# Altium PCB RS2-708_V008.PcbDoc (part 4 of 4) (continued)
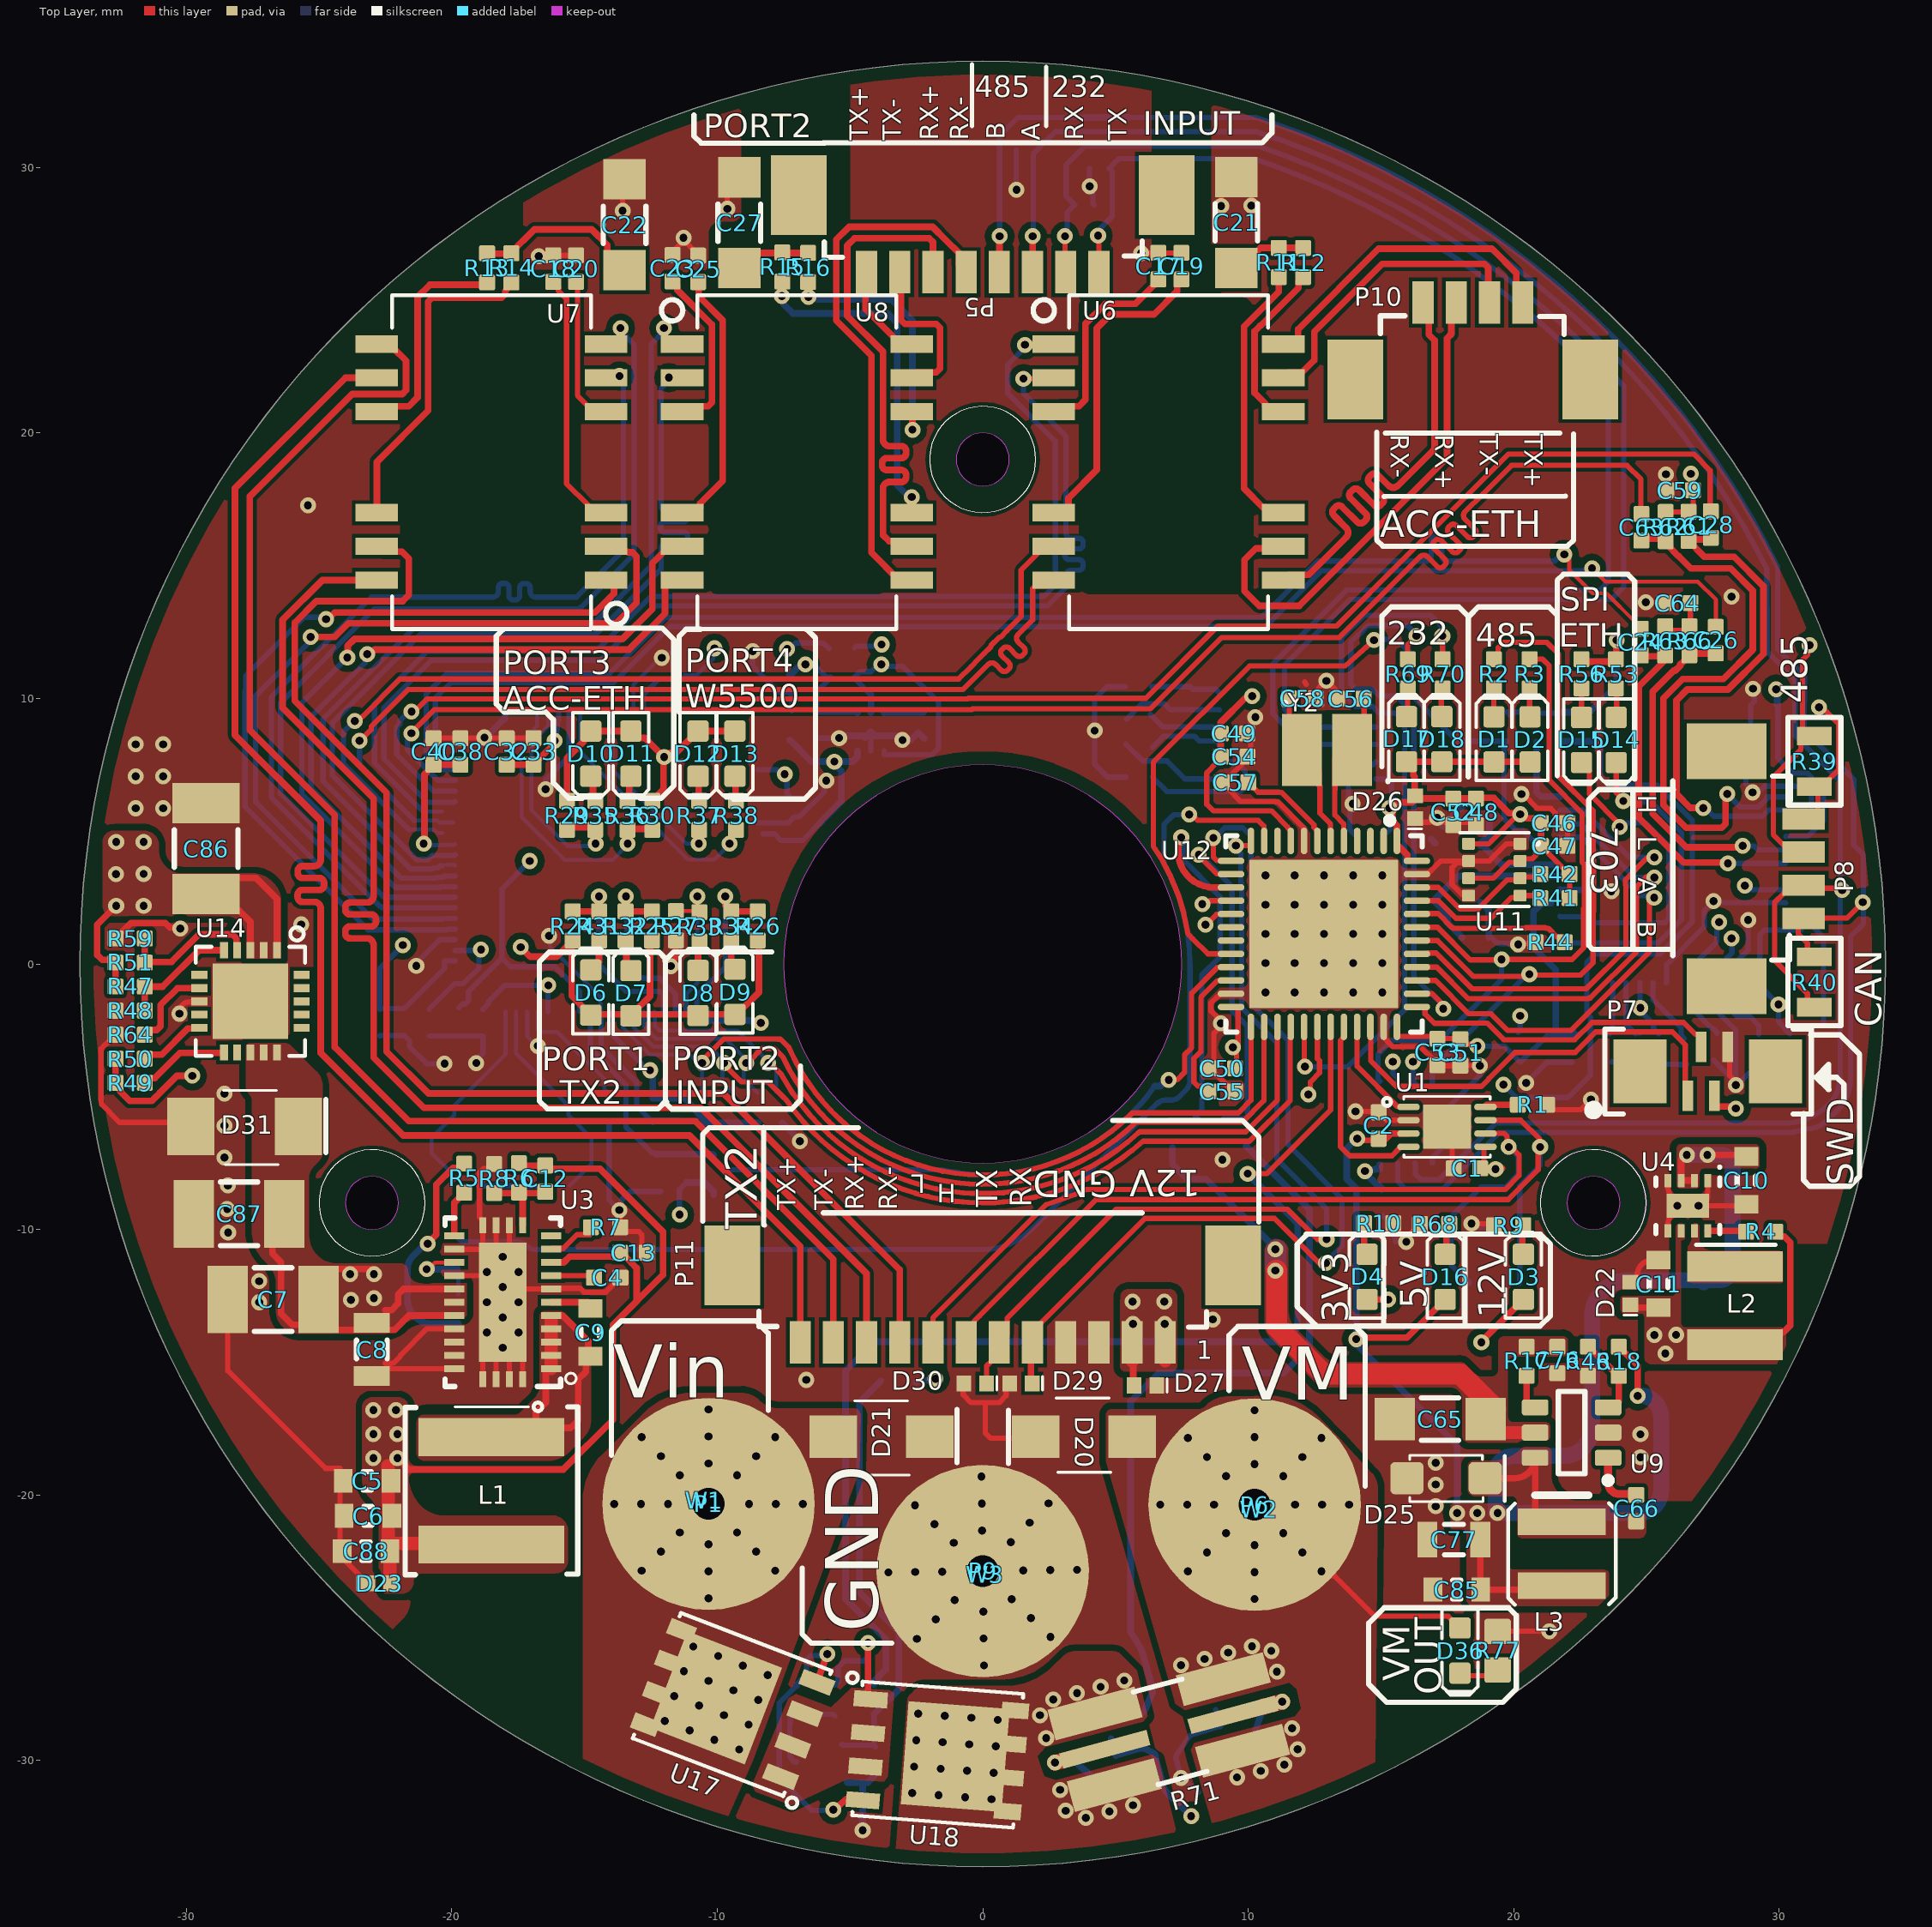
[diagram p0: Top Layer view]
## Polygon pours and split planes (outlines as drawn) (continued)
GND on Top Layer "TOP_GND_Pre-Protection" (solid, remove dead copper, pour order 132): -31.992,5.53 cw(c-31.992,5.864) -32.326,5.864 -32.326,8.412 cw(c-31.986,8.412) -31.986,8.752 -30.794,8.752 cw(c-30.794,8.447) -30.49,8.447 -30.49,7.413 ccw(c-30.111,7.413) -30.111,7.035 -29.049,7.04 -28.284,7.04 cw(c-28.284,6.615) -27.859,6.615 -27.859,5.537 cw(c-28.261,5.537) -28.261,5.135 -30.676,5.135 cw(c-30.676,5.321) -30.861,5.321 ccw(c-31.07,5.321) -31.07,5.53
3V3 on Top Layer "TOP_3V3_reg out" (solid, remove dead copper, pour order 133): 24.919,-13.302 ccw(c24.781,-13.302) 24.781,-13.163 24.145,-13.163 cw(c24.145,-13.035) 24.017,-13.035 24.017,-12.618 cw(c24.126,-12.618) 24.126,-12.509 25.948,-12.509 ccw(c25.936,-12.341) 26.104,-12.329 26.104,-9.912 cw(c26.231,-9.912) 26.231,-9.785 26.399,-9.785 cw(c26.399,-9.837) 26.451,-9.837 26.451,-10.323 cw(c26.382,-10.323) 26.382,-10.393 ccw(c26.382,-10.474) 26.301,-10.474 26.301,-13.527 ccw(c26.457,-13.527) 26.457,-13.683 26.984,-13.678 30.021,-13.678 cw(c30.025,-13.902) 30.249,-13.899 30.249,-14.891 cw(c30.066,-14.891) 30.066,-15.074 25.189,-15.074 cw(c25.189,-14.803) 24.919,-14.803
5V on Top Layer "TOP_5v_3vregin" (solid, remove dead copper, pour order 136): 29.175,-6.787 cw(c29.175,-6.868) 29.256,-6.868 29.256,-7.608 cw(c29.16,-7.608) 29.16,-7.704 28.256,-7.702 27.185,-7.702 ccw(c27.185,-7.889) 26.999,-7.889 26.999,-8.323 cw(c26.873,-8.323) 26.873,-8.449 26.267,-8.45 cw(c26.267,-8.313) 26.13,-8.313 26.13,-6.964 cw(c26.308,-6.964) 26.308,-6.787
GND on Top Layer "TOP_GND_3v3-reg" (solid, remove dead copper, pour order 137): 25.93,-11.539 cw(c25.775,-11.539) 25.775,-11.694 24.941,-11.694 ccw(c24.941,-11.842) 24.793,-11.842 24.793,-12.207 cw(c24.691,-12.207) 24.691,-12.31 24.1,-12.31 cw(c24.1,-12.233) 24.023,-12.233 24.023,-11.668 cw(c24.094,-11.668) 24.094,-11.598 24.453,-11.598 ccw(c24.453,-11.457) 24.595,-11.457 24.595,-11.04 cw(c24.877,-11.04) 24.877,-10.757 25.385,-10.757 ccw(c25.385,-10.548) 25.594,-10.548 25.593,-10.333 25.593,-7.914 cw(c25.675,-7.914) 25.675,-7.832 25.834,-7.832 cw(c25.834,-7.981) 25.983,-7.981 25.983,-8.547 ccw(c26.097,-8.547) 26.097,-8.66 27.02,-8.66 ccw(c27.02,-8.569) 27.112,-8.569 27.112,-7.955 cw(c27.2,-7.955) 27.2,-7.866 27.226,-7.866 27.422,-7.866 cw(c27.422,-7.952) 27.508,-7.952 27.508,-8.482 ccw(c27.667,-8.482) 27.667,-8.641 28.098,-8.641 29.163,-8.641 cw(c29.163,-8.703) 29.225,-8.703 29.225,-9.471 cw(c29.13,-9.471) 29.13,-9.567 28.568,-9.566 26.217,-9.566 26.17,-9.566 ccw(c26.17,-9.807) 25.93,-9.807
NetL2_1 on Top Layer "TOP_3v3-SW_LX" (solid, remove dead copper, pour order 135): 26.639,-12.018 30.047,-12.018 ccw(c30.047,-11.898) 30.167,-11.898 30.167,-10.844 ccw(c30.116,-10.844) 30.116,-10.794 27.44,-10.794 cw(c27.441,-10.341) 26.989,-10.34 26.989,-9.85 ccw(c26.897,-9.85) 26.897,-9.758 26.716,-9.758 ccw(c26.716,-9.847) 26.627,-9.847 26.629,-9.961 26.629,-10.515 cw(c26.512,-10.515) 26.595,-10.597 ccw(c26.769,-10.772) 26.522,-10.772 26.522,-11.911 ccw(c26.628,-11.903) 26.636,-12.008 ccw(c26.785,-11.963)
V_IN on Top Layer "TOP_V_IN-RevPol-in" (solid, remove dead copper, pour order 131): -32.733,1.802 cw(c-32.733,2.223) -33.154,2.223 -33.154,4.584 cw(c-32.722,4.583) -32.721,5.015 -31.59,5.015 cw(c-31.59,4.459) -31.034,4.459 -31.034,4.293 ccw(c-30.149,4.293) -30.149,3.408 -27.51,3.408 cw(c-27.51,2.318) -26.42,2.318 -26.42,0.204 -27.738,0.204 -27.738,0.863 -27.735,1.03 ccw(c-28.507,1.03) -28.507,1.802
NetC9_1 on Top Layer "TOP_12V-SW_Regout" (solid, remove dead copper, pour order 129): -15.924,-13.071 cw(c-15.924,-13.298) -15.764,-13.137 -14.885,-14.016 cw(c-15.214,-14.347) -14.747,-14.345 -14.747,-17.122 cw(c-15.802,-17.12) -15.058,-17.868 -15.577,-18.387 cw(c-16.346,-17.617) -16.346,-18.706 -21.024,-18.706 cw(c-21.024,-18.406) -21.324,-18.406 -21.324,-17.294 cw(c-21.029,-17.27) -21.223,-17.047 cw(c-21.042,-17.249) -21.027,-16.977 -17.7,-16.977 ccw(c-17.7,-16.532) -17.384,-16.847 -16.883,-16.345 ccw(c-17.364,-15.864) -16.683,-15.864 -16.683,-13.245 cw(c-16.509,-13.245) -16.509,-13.071
GND on Top Layer "TOP_GND_12v-regIN-out" (solid, remove dead copper, pour order 127): -20.985,-13.588 -19.552,-13.588 cw(c-19.552,-13.668) -19.472,-13.668 -19.472,-15.631 cw(c-19.803,-15.631) -19.803,-15.961 -23.205,-15.961 ccw(c-23.205,-16.385) -23.629,-16.385 -23.629,-21.942 -23.628,-21.942 -23.628,-22.225 ccw(c-23.573,-22.225) -23.612,-22.263 -22.953,-22.922 cw(c-23.164,-23.133) -22.866,-23.133 -22.866,-23.616 cw(c-22.916,-23.616) -22.916,-23.666 -23.37,-23.666 cw(c-23.37,-23.467) -23.51,-23.608 -24.376,-22.742 cw(c-24.056,-22.423) -24.508,-22.423 -24.508,-20.27 ccw(c-26.195,-20.27) -25.002,-19.077 -30.094,-13.985 cw(c-28.298,-12.188) -30.838,-12.188 -30.838,-5.124 cw(c-30.589,-5.124) -30.589,-4.875 -29.637,-4.875 ccw(c-29.637,-4.268) -29.208,-4.697 cw(c-28.678,-5.227) -28.678,-4.478 -28.469,-4.478 cw(c-28.469,-4.842) -28.212,-4.585 cw(c-28.469,-4.842) -28.105,-4.842 -28.105,-10.115 ccw(c-26.984,-10.115) -27.777,-10.908 -27.121,-11.564 cw(c-27.549,-11.992) -26.944,-11.992 -26.944,-13.452 ccw(c-26.2,-13.452) -26.2,-14.195 -22.598,-14.195 ccw(c-22.598,-12.88) -21.668,-13.81 cw(c-21.149,-14.329) -21.149,-13.595 -20.19,-13.595
GND on Top Layer "TOP_GND_5VregSingle pointgGND" (solid, remove dead copper, pour order 124): 14.596,-18.017 ccw(c14.896,-18.017) 14.896,-18.317 cw(c14.896,-18.72) 15.299,-18.72 15.299,-23.848 ccw(c15.666,-23.851) 15.662,-24.218 15.961,-24.216 17.143,-24.216 ccw(c17.143,-23.989) 17.369,-23.989 17.369,-16.525 ccw(c16.986,-16.525) 16.986,-16.142 14.89,-16.142 ccw(c14.89,-16.436) 14.596,-16.436
5V on Top Layer "TOP_5Vreg-5vout" (solid, remove dead copper, pour order 126): 17.545,-21.129 ccw(c17.713,-21.129) 17.713,-21.298 18.048,-21.298 cw(c18.048,-21.466) 18.216,-21.466 18.216,-23.879 ccw(c18.514,-23.882) 18.51,-24.18 23.427,-24.18 ccw(c23.427,-24.016) 23.59,-24.016 23.59,-22.988 ccw(c23.415,-22.988) 23.415,-22.812 20.015,-22.812 cw(c20.015,-22.542) 19.745,-22.542 19.745,-20.621 ccw(c19.452,-20.621) 19.452,-20.327 17.752,-20.327 ccw(c17.752,-20.535) 17.545,-20.535
GND on Top Layer "TOP_GND_5vregin" (solid, remove dead copper, pour order 123): 22.806,-16.012 cw(c22.952,-16.012) 22.952,-15.866 23.026,-15.866 ccw(c23.027,-15.74) 23.154,-15.741 23.154,-15.204 ccw(c23.015,-15.204) 23.015,-15.065 21.401,-15.065 ccw(c21.401,-15.204) 21.262,-15.204 21.262,-15.721 ccw(c21.396,-15.721) 21.396,-15.855 21.898,-15.855 cw(c21.898,-16.024) 22.067,-16.024 22.067,-17.891 ccw(c22.253,-17.891) 22.253,-18.077 23.704,-18.079 24.117,-18.079 cw(c24.117,-18.264) 24.301,-18.264 24.301,-18.778 ccw(c24.525,-18.778) 24.525,-19.002 24.986,-19.002 ccw(c24.986,-18.745) 25.243,-18.745 25.243,-17.665 ccw(c24.894,-17.665) 24.916,-17.316 23.248,-17.316 23.007,-17.316 cw(c23.007,-17.116) 22.806,-17.116
SW_5V on Top Layer "TOP_SW-5V_Reg" (solid, remove dead copper, pour order 121): 19.899,-20.046 cw(c19.899,-20.283) 20.136,-20.283 20.136,-21.435 ccw(c20.332,-21.44) 20.327,-21.636 24.716,-21.636 ccw(c24.716,-21.362) 24.99,-21.362 24.99,-20.829 ccw(c24.826,-20.829) 24.826,-20.665 23.711,-20.665 cw(c23.712,-20.568) 23.616,-20.567 23.616,-20.354 ccw(c23.466,-20.354) 23.466,-20.204 22.356,-20.204 cw(c22.356,-19.266) 21.693,-19.929 cw(c22.356,-19.266) 21.418,-19.266 21.418,-18.389 ccw(c21.227,-18.389) 21.227,-18.198 20.434,-18.198 ccw(c20.434,-18.454) 20.253,-18.273 cw(c19.208,-17.228) 19.208,-18.706 18.48,-18.706 ccw(c18.48,-18.914) 18.272,-18.914 18.272,-19.779 ccw(c18.538,-19.779) 18.538,-20.046
GND on Bottom Layer "TOP_GND-Cu-Pour" (solid, remove dead copper, pour order 162): 9.396,32.676 8.838,32.676 ccw(c8.838,32.447) 8.609,32.447 8.609,25.452 ccw(c8.893,25.452) 8.893,25.168 9.643,25.168 cw(c9.643,24.601) 10.211,24.601 10.211,14.26 cw(c9.866,14.26) 9.866,13.916 4.027,13.916 cw(c4.027,14.341) 3.601,14.341 3.601,24.722 cw(c4.127,24.722) 4.127,25.248 6.061,25.248 ccw(c6.061,25.534) 6.347,25.534 6.347,33.011 ccw(c5.877,33.017) 5.883,33.487 ccw(c0,0) 0,34 ccw(c0,0.002) -4.508,33.7 ccw(c-4.508,33.229) -4.979,33.229 -4.979,25.031 ccw(c-4.636,25.031) -4.636,24.688 -3.95,24.688 cw(c-3.95,24.288) -3.55,24.288 -3.55,14.381 cw(c-4.026,14.381) -4.026,13.905 -9.952,13.905 cw(c-9.952,14.286) -10.333,14.286 -10.333,27.51 cw(c-9.89,27.51) -9.89,27.953 -9.47,27.953 ccw(c-9.47,28.324) -9.099,28.324 -9.099,32.505 ccw(c-9.296,32.507) -9.294,32.705 ccw(c0,0) -17.113,29.38 ccw(c-16.67,28.936) -17.296,28.936 -17.296,26.537 ccw(c-16.916,26.537) -16.916,26.157 -15.417,26.157 cw(c-15.417,25.861) -15.122,25.861 -15.122,14.145 cw(c-15.607,14.145) -15.607,13.66 -21.624,13.66 cw(c-21.624,13.998) -21.961,13.998 -21.961,25.819 ccw(c-22.035,25.818) -22.036,25.892 ccw(c0,0) -34,0 ccw(c0,0) -22.59,-25.411 -21.873,-24.694 ccw(c-22.676,-23.89) -21.54,-23.89 -21.54,-17.261 cw(c-20.796,-17.261) -21.322,-16.735 cw(c-20.978,-17.078) -20.978,-16.592 -16.087,-16.592 cw(c-16.087,-17.102) -15.577,-17.102 -15.577,-29.615 ccw(c-14.512,-29.634) -15.279,-30.374 ccw(c0,0) 0,-34 ccw(c0,0) 23.179,-24.875 22.773,-24.468 ccw(c22.289,-24.952) 22.289,-24.268 20.339,-24.268 cw(c20.339,-23.983) 20.054,-23.983 20.054,-20.539 cw(c20.373,-20.539) 20.373,-20.22 26.96,-20.22 ccw(c26.975,-19.485) 27.484,-20.015 ccw(c0.001,-0.001) 30.531,-14.961 ccw(c30.443,-15.05) 30.443,-14.924 26.618,-14.924 cw(c26.618,-14.73) 26.424,-14.73 26.424,-10.737 cw(c26.627,-10.737) 26.627,-10.534 31.718,-10.534 ccw(c31.727,-9.549) 32.417,-10.253 ccw(c0.001,0) 34,0 ccw(c0,0)
V_IN on Bottom Layer "BTM_VM-IN_PreProtection" (solid, remove dead copper, pour order 138): -17.476,-24.999 -17.203,-25.174 -17.063,-25.256 -16.997,-25.289 -16.892,-25.319 -16.767,-25.338 -16.511,-25.35 -16.275,-25.35 ccw(c-16.274,-23.83) -14.755,-23.831 -14.755,-18.542 cw(c-12.215,-18.542) -12.215,-16.002 -10.309,-16.002 -10.31,-16.001 -8.807,-16.001 cw(c-8.807,-18.541) -6.267,-18.541 -6.267,-21.649 cw(c-8.807,-21.649) -7.011,-23.445 ccw(c-5.564,-24.892) -7.611,-24.892 -7.611,-26.888 -7.609,-26.888 -8.909,-30.278 -9.754,-32.611 -12.51,-31.649 -14.859,-30.599 -17.407,-29.27 -19.726,-27.734 -21.104,-26.673 -22.78,-25.256 -24.851,-23.313 -26.983,-20.824 -28.45,-18.663 -29.649,-16.681 -31.205,-13.598 -32.692,-9.573 -33.307,-7.095 -33.902,-2.952 -34,0 -33.931,1.985 -33.644,5.048 -33.644,5.107 -31.017,5.107 cw(c-31.017,4.295) -30.204,4.295 -30.343,3.113 -30.417,2.24 -30.49,0.996 -30.503,-0.186 -30.471,-1.302 -30.378,-2.745 -30.199,-4.327 -29.921,-5.934 -29.608,-7.333 -29.059,-9.256 -28.706,-10.309 -28.315,-11.341 -27.766,-12.629 -27.32,-13.576 -26.803,-14.56 -26.349,-15.36 -25.876,-16.156 -25.606,-16.569 -25.192,-17.194 -24.718,-17.861 -24.305,-18.423 -23.951,-18.89 -23.308,-19.682 -22.899,-20.149 -22.442,-20.656 -21.907,-21.222 -21.205,-21.925 -20.61,-22.487 -19.743,-23.261 -18.976,-23.876 -18.299,-24.4 -17.621,-24.899
5V on Bottom Layer "BTM_5V_Reg out" (solid, remove dead copper, pour order 155): 17.574,-20.652 17.574,-21.069 ccw(c17.836,-21.069) 17.836,-21.331 19.672,-21.331 ccw(c19.672,-21.059) 19.945,-21.059 19.945,-20.256 ccw(c19.741,-20.256) 19.741,-20.052 17.82,-20.052 ccw(c17.82,-20.293) 17.579,-20.293
12V on Bottom Layer "BTM_12V_RegOUT" (solid, remove dead copper, pour order 151): 5.245,-13.978 cw(c5.245,-13.322) 4.781,-13.786 4.731,-13.736 ccw(c4.318,-14.149) 4.318,-13.565 -11.158,-13.565 ccw(c-11.158,-14.349) -11.712,-13.795 -15.173,-17.255 cw(c-15.672,-16.769) -15.663,-17.466 -21.184,-17.466 ccw(c-21.184,-17.804) -21.523,-17.804 -21.523,-18.719 cw(c-21.905,-18.719) -21.905,-19.102 -22.932,-19.102 cw(c-22.932,-18.678) -23.356,-18.678 -23.356,-16.789 cw(c-22.942,-16.781) -23.356,-16.78 cw(c-22.816,-16.776) -22.819,-16.237 -16.123,-16.237 ccw(c-16.123,-15.86) -15.857,-16.126 -12.606,-12.875 cw(c-11.239,-14.242) -11.239,-12.309 6.992,-12.309 cw(c7.001,-12.651) 7.343,-12.641 7.343,-13.743 cw(c7.108,-13.744) 7.109,-13.978
Vm_708 on Bottom Layer "BTM_VM-708_5vRewgin" (solid, remove dead copper, pour order 149): -13.771,-13.647 -12.605,-12.481 cw(c-11.401,-13.685) -11.401,-11.982 11.192,-11.982 ccw(c11.19,-11.637) 11.535,-11.635 11.535,-10.334 ccw(c11.36,-10.334) 11.36,-10.159 10.646,-10.159 ccw(c10.646,-10.344) 10.461,-10.344 10.461,-10.634 cw(c10.075,-10.634) 10.075,-11.02 -11.596,-11.02 ccw(c-11.596,-13.145) -13.098,-11.643 -16.366,-14.911 cw(c-16.661,-14.591) -16.679,-15.026 -21.316,-15.026 cw(c-21.316,-14.782) -21.489,-14.954 -21.729,-14.714 -22.1,-14.342 cw(c-21.326,-13.568) -22.421,-13.568 -22.421,-12.063 cw(c-22.057,-12.032) -22.422,-12.035 -22.422,-11.702 ccw(c-22.92,-11.706) -22.924,-11.209 -23.858,-11.209 ccw(c-23.858,-11.682) -24.331,-11.682 -24.331,-12.969 ccw(c-23.527,-12.969) -24.096,-13.538 -22.052,-15.581 ccw(c-21.371,-14.901) -21.371,-15.864 -16.199,-15.864 ccw(c-16.199,-15.355) -15.839,-15.715 -15.364,-15.24
NetR71_1 on Bottom Layer "BTM_NetR71_1_PWR-FetSwitch" (solid, remove dead copper, pour order 141): 3.243,-29.167 3.136,-29.392 2.823,-29.49 2.334,-29.617 2.148,-29.974 2.256,-30.433 2.574,-30.678 3.273,-30.468 3.621,-30.555 3.737,-30.981 4.329,-31.303 5.78,-30.923 6.121,-31.066 6.48,-32.169 6.339,-32.523 4.121,-33.156 -2.796,-32.607 -3.342,-31.858 -3.066,-27.899 -3.069,-27.899 -2.302,-27.29 0.289,-27.472 4.831,-26.204 5.489,-26.033 5.75,-26.224 6.009,-27.155 5.825,-27.484 3.272,-28.221 3.096,-28.629
Vm_OUT on Bottom Layer "TOP_USB_5V" (solid, remove dead copper, pour order 142): 7.362,-16.029 ccw(c7.362,-17.373) 6.018,-17.373 6.018,-24.141 ccw(c7.836,-24.145) 6.548,-25.427 6.636,-25.515 cw(c6.102,-26.05) 6.858,-26.05 6.851,-26.048 7.094,-26.891 7.441,-27.113 9.969,-26.425 10.369,-26.655 10.521,-27.26 10.722,-27.413 11.473,-27.212 11.731,-27.341 11.889,-27.891 11.855,-28.193 11.061,-28.384 10.884,-28.738 11.037,-29.312 10.947,-29.508 9.153,-30.029 8.878,-30.47 9.209,-31.614 9.556,-31.8 12.166,-31.055 13.354,-30.668 14.659,-30.099 ccw(c14.647,-29.936) 14.811,-29.924 14.811,-18.569 ccw(c12.271,-18.569) 12.271,-16.029
3V3 on Layer 2 "TOP_GND-Cu-Pour" (solid, remove dead copper, pour order 161): 9.396,32.676 8.838,32.676 ccw(c8.838,32.447) 8.609,32.447 8.609,25.452 ccw(c8.893,25.452) 8.893,25.168 9.643,25.168 cw(c9.643,24.601) 10.211,24.601 10.211,14.26 cw(c9.866,14.26) 9.866,13.916 4.027,13.916 cw(c4.027,14.341) 3.601,14.341 3.601,24.722 cw(c4.127,24.722) 4.127,25.248 6.061,25.248 ccw(c6.061,25.534) 6.347,25.534 6.347,33.011 ccw(c5.877,33.017) 5.883,33.487 ccw(c0,0) 0,34 ccw(c0,0.002) -4.508,33.7 ccw(c-4.508,33.229) -4.979,33.229 -4.979,25.031 ccw(c-4.636,25.031) -4.636,24.688 -3.95,24.688 cw(c-3.95,24.288) -3.55,24.288 -3.55,14.381 cw(c-4.026,14.381) -4.026,13.905 -9.952,13.905 cw(c-9.952,14.286) -10.333,14.286 -10.333,27.51 cw(c-9.89,27.51) -9.89,27.953 -9.47,27.953 ccw(c-9.47,28.324) -9.099,28.324 -9.099,32.505 ccw(c-9.296,32.507) -9.294,32.705 ccw(c0,0) -17.113,29.38 ccw(c-16.67,28.936) -17.296,28.936 -17.296,26.537 ccw(c-16.916,26.537) -16.916,26.157 -15.417,26.157 cw(c-15.417,25.861) -15.122,25.861 -15.122,14.145 cw(c-15.607,14.145) -15.607,13.66 -21.624,13.66 cw(c-21.624,13.998) -21.961,13.998 -21.961,25.819 ccw(c-22.035,25.818) -22.036,25.892 ccw(c0,0) -34,0 ccw(c0,0) -22.59,-25.411 -21.873,-24.694 ccw(c-22.676,-23.89) -21.54,-23.89 -21.54,-17.261 cw(c-20.796,-17.261) -21.322,-16.735 cw(c-20.978,-17.078) -20.978,-16.592 -16.087,-16.592 cw(c-16.087,-17.102) -15.577,-17.102 -15.577,-29.615 ccw(c-14.512,-29.634) -15.279,-30.374 ccw(c0,0) 0,-34 ccw(c0,0) 23.179,-24.875 22.773,-24.468 ccw(c22.289,-24.952) 22.289,-24.268 20.339,-24.268 cw(c20.339,-23.983) 20.054,-23.983 20.054,-20.539 cw(c20.373,-20.539) 20.373,-20.22 26.96,-20.22 ccw(c26.975,-19.485) 27.484,-20.015 ccw(c0.001,-0.001) 30.531,-14.961 ccw(c30.443,-15.05) 30.443,-14.924 26.618,-14.924 cw(c26.618,-14.73) 26.424,-14.73 26.424,-10.737 cw(c26.627,-10.737) 26.627,-10.534 31.718,-10.534 ccw(c31.727,-9.549) 32.417,-10.253 ccw(c0.001,0) 34,0 ccw(c0,0)
3V3A on Layer 2 "LAYER2_3v3A_W5500" (solid, remove dead copper, pour order 62): 26.289,7.823 26.441,7.975 30.386,7.969 30.815,7.539 30.815,-2.027 30.201,-2.642 19.507,-2.642 18.898,-2.032 18.898,1.245 18.898,4.293 19.939,5.334 25.654,5.334 26.289,5.969
GND on Layer 1 "TOP_GND-Cu-Pour" (solid, remove dead copper, pour order 160): 9.396,32.676 8.838,32.676 ccw(c8.838,32.447) 8.609,32.447 8.609,25.452 ccw(c8.893,25.452) 8.893,25.168 9.643,25.168 cw(c9.643,24.601) 10.211,24.601 10.211,14.26 cw(c9.866,14.26) 9.866,13.916 4.027,13.916 cw(c4.027,14.341) 3.601,14.341 3.601,24.722 cw(c4.127,24.722) 4.127,25.248 6.061,25.248 ccw(c6.061,25.534) 6.347,25.534 6.347,33.011 ccw(c5.877,33.017) 5.883,33.487 ccw(c0,0) 0,34 ccw(c0,0.002) -4.508,33.7 ccw(c-4.508,33.229) -4.979,33.229 -4.979,25.031 ccw(c-4.636,25.031) -4.636,24.688 -3.95,24.688 cw(c-3.95,24.288) -3.55,24.288 -3.55,14.381 cw(c-4.026,14.381) -4.026,13.905 -9.952,13.905 cw(c-9.952,14.286) -10.333,14.286 -10.333,27.51 cw(c-9.89,27.51) -9.89,27.953 -9.47,27.953 ccw(c-9.47,28.324) -9.099,28.324 -9.099,32.505 ccw(c-9.296,32.507) -9.294,32.705 ccw(c0,0) -17.113,29.38 ccw(c-16.67,28.936) -17.296,28.936 -17.296,26.537 ccw(c-16.916,26.537) -16.916,26.157 -15.417,26.157 cw(c-15.417,25.861) -15.122,25.861 -15.122,14.145 cw(c-15.607,14.145) -15.607,13.66 -21.624,13.66 cw(c-21.624,13.998) -21.961,13.998 -21.961,25.819 ccw(c-22.035,25.818) -22.036,25.892 ccw(c0,0) -34,0 ccw(c0,0) -22.59,-25.411 -21.873,-24.694 ccw(c-22.676,-23.89) -21.54,-23.89 -21.54,-17.261 cw(c-20.796,-17.261) -21.322,-16.735 cw(c-20.978,-17.078) -20.978,-16.592 -16.087,-16.592 cw(c-16.087,-17.102) -15.577,-17.102 -15.577,-29.615 ccw(c-14.512,-29.634) -15.279,-30.374 ccw(c0,0) 0,-34 ccw(c0,0) 23.179,-24.875 22.773,-24.468 ccw(c22.289,-24.952) 22.289,-24.268 20.339,-24.268 cw(c20.339,-23.983) 20.054,-23.983 20.054,-20.539 cw(c20.373,-20.539) 20.373,-20.22 26.96,-20.22 ccw(c26.975,-19.485) 27.484,-20.015 ccw(c0.001,-0.001) 30.531,-14.961 ccw(c30.443,-15.05) 30.443,-14.924 26.618,-14.924 cw(c26.618,-14.73) 26.424,-14.73 26.424,-10.737 cw(c26.627,-10.737) 26.627,-10.534 31.718,-10.534 ccw(c31.727,-9.549) 32.417,-10.253 ccw(c0.001,0) 34,0 ccw(c0,0)

## Keep-outs
Keep-Out Layer:
  circle w0.013: c23,-9 r2
  circle w0.013: c-23,-9 r2
  circle w0.013: c0,19 r2

## Silkscreen, mask and mechanical layers (free items; w line width, h text height)
Top Overlay:
  circle w0.013: c22.995,-8.995 r2
  circle w0.013: c0,19 r2
  circle w0.013: c-23,-9 r2
  lines w0.15: -0.406,31.547 -0.406,33.884 ; 2.388,31.547 2.388,33.782
  lines w0.2: -18.081,12.583 -18.321,12.343 -18.321,9.789 -18.022,9.49 -16.461,9.49 -16.175,9.204 -16.175,6.816 -15.592,6.234 -15.086,6.234 ; -14.64,12.648 -12.07,12.648 -11.635,12.212 -11.635,6.716 -12.107,6.244 -12.9,6.244 ; -13.989,-18.496 -13.989,-13.82 -13.614,-13.444 -8.541,-13.444 -8.079,-13.905 -8.079,-16.812 ; -12.801,0.442 -12.188,0.442 -11.95,0.205 -11.95,-5.184 -12.224,-5.458 -16.404,-5.458 -16.701,-5.16 -16.701,0.079 -16.337,0.442 -12.77,0.442 ; -11.96,0.104 -11.96,0.134 -11.639,0.456 -7.949,0.456 ; -11.9,-5.204 -11.9,-5.285 -11.719,-5.465 -7.195,-5.465 -6.863,-5.134 -6.863,-3.847 ; -11.432,9.485 -11.432,12.34 -11.196,12.576 ; -11.179,12.603 -10.637,12.603 ; -10.888,31.195 -10.605,30.913 -5.954,30.913 ; -10.875,31.182 -10.875,31.966 ; -10.55,-9.691 -10.55,-6.417 -10.299,-6.166 -4.681,-6.166 ; -9.398,6.21 -6.715,6.21 -6.298,6.626 -6.298,12.275 -6.622,12.598 -6.656,12.598 ; -8.247,-6.159 -8.247,-9.813 -8.224,-9.837 ; -6.794,-22.758 -6.794,-25.243 -6.461,-25.576 -3.42,-25.576 ; 4.889,-5.89 9.773,-5.89 10.403,-6.521 10.403,-9.711 ; 5.43,30.923 10.514,30.923 10.893,31.302 10.893,31.974 ; 9.279,-16.06 9.279,-13.988 9.611,-13.656 14.028,-13.656 14.405,-14.033 14.405,-19.659 ; 12.183,-10.178 21.004,-10.178 21.383,-10.557 21.383,-13.249 20.993,-13.639 14.035,-13.639 ; 12.206,-10.199 11.845,-10.56 11.845,-12.904 12.529,-13.588 12.529,-13.656 ; 14.837,20.018 14.837,15.97 15.075,15.731 22.021,15.731 22.255,15.966 22.255,19.96 ; 15.039,7.424 15.039,13.103 15.383,13.447 17.934,13.447 18.287,13.093 18.287,7.05 ; 15.102,-13.605 15.102,-10.374 ; 15.127,17.604 21.942,17.616 ; 15.259,6.861 15.259,6.907 ; 18.17,-13.578 18.17,-10.264 ; 18.336,13.113 18.665,13.442 21.331,13.442 21.636,13.137 ; 21.636,7.093 21.636,14.44 21.871,14.675 24.293,14.675 24.554,14.414 24.554,6.96 ; 24.458,0.589 24.491,0.621 24.491,6.54 ; 25.949,0.546 22.979,0.546 22.828,0.696 22.828,6.186 23.204,6.562 26.013,6.562 ; 30.916,-5.64 30.916,-8.139 31.15,-8.373 32.654,-8.373 33.025,-8.002 33.025,-3.404 32.292,-2.672 31.184,-2.672 ; 31.394,-4.275 31.539,-4.275 31.727,-4.086 31.727,-4.43 31.716,-4.442 31.694,-4.442 31.55,-4.297 ; 31.502,-4.268 32.168,-4.268 32.437,-4.537 32.437,-5.182 ; 14.539,-27.13 14.539,-24.829 15.12,-24.248 19.813,-24.248 20.099,-24.534 20.099,-27.297 19.584,-27.812 15.22,-27.812 14.539,-27.13 ; 31.384,-4.265 31.85,-4.73 31.872,-4.73 31.861,-4.719 31.861,-3.788 31.384,-4.265
  text "485" at -0.305,32.639 h0.8
  text "232" at 2.591,32.639 h0.8
  text "INPUT" at 6.033,31.218 h0.9
  text "PORT2" at -10.521,31.128 h0.9
  text "B" at 0.838,31.039 h0.7 r90
  text "TX+" at -4.318,31.015 h0.7 r90
  text "TX-" at -3.073,31.015 h0.7 r90
  text "RX+" at -1.676,31.015 h0.7 r90
  text "RX-" at -0.533,31.015 h0.7 r90
  text "A" at 2.159,31.015 h0.7 r90
  text "RX" at 3.785,31.015 h0.7 r90
  text "TX" at 5.41,31.015 h0.7 r90
  text "RX-" at 15.371,19.949 h0.7 r270
  text "RX+" at 17.049,19.949 h0.7 r270
  text "TX-" at 18.726,19.949 h0.7 r270
  text "TX+" at 20.404,19.949 h0.7 r270
  text "ACC-ETH" at 14.964,16.068 h1
  text "SPI" at 21.745,13.292 h0.9
  text "232" at 15.215,12.021 h0.9
  text "485" at 18.559,11.936 h0.9
  text "ETH" at 21.696,11.946 h0.9
  text "485" at 31.07,9.805 h1 r90
  text "PORT4 / W5500" at -11.221,9.642 h0.9
  text "PORT3 / ACC-ETH" at -18.086,9.561 h0.9
  text "H" at 24.688,6.368 h0.7 r270
  text "703" at 22.922,5.188 h1 r270
  text "L" at 24.688,4.827 h0.7 r270
  text "A" at 24.688,3.257 h0.7 r270
  text "B" at 24.666,1.621 h0.7 r270
  text "CAN" at 33.852,-2.378 h1 r90
  text "PORT1" at -16.602,-4.02 h0.9
  text "PORT2" at -11.7,-4.001 h0.9
  text "TX2" at -15.926,-5.274 h0.9
  text "INPUT" at -11.564,-5.274 h0.9
  text "12V" at 8.219,-7.757 h1 r180
  text "GND" at 5.048,-7.791 h1 r180
  text "L" at -2.157,-7.939 h0.7 r180
  text "SWD" at 32.79,-8.334 h1 r90
  text "H" at -1.725,-8.993 h0.7
  text "TX" at 0.563,-9.169 h0.8 r90
  text "RX" at 1.835,-9.169 h0.8 r90
  text "TX+" at -7.051,-9.281 h0.7 r90
  text "TX-" at -5.647,-9.281 h0.7 r90
  text "RX+" at -4.477,-9.281 h0.7 r90
  text "RX-" at -3.223,-9.281 h0.7 r90
  text "TX2" at -8.509,-9.989 h1.2 r90
  text "5V" at 16.718,-12.991 h1 r90
  text "12V" at 19.665,-13.352 h1 r90
  text "3V3" at 13.772,-13.517 h1 r90
  text "Vin" at -13.914,-16.34 h2
  text "VM" at 9.752,-16.424 h2
  text "GND" at -3.927,-25.174 h2 r90
  text "VM" at 16.075,-27.006 h1 r90
  text "OUT" at 17.274,-27.531 h1 r90
Bottom Overlay:
  drawing of 165 lines, arcs and shapes, not listed
  text "RS2-708_V008_20210929" at 18.771,20.701 h1
  text "VM-ALWAYS ON" at 1.753,-14.015 h0.8
  text "12V-ALWAYS-ON" at -18.276,-16.141 h0.8
  text "GND" at 3.248,-18.716 h2
  text "Vin" at -7.529,-18.831 h2
  text "VM" at 12.54,-18.949 h2
Top Paste:
  rectangle: -9.951,-25.252 -8.986,-24.568
  rectangle: -13.038,-24.585 -12.073,-23.9
  rectangle: -14.16,-24.585 -13.195,-23.9
  rectangle: -13.028,-25.537 -12.063,-24.853
  rectangle: -14.16,-25.537 -13.195,-24.853
  rectangle: -13.716,-26.771 -12.75,-26.087
  rectangle: -14.023,-27.988 -13.057,-27.304
  rectangle: 13.288,-27.04 14.254,-26.356
  rectangle: 11.957,-25.164 12.923,-24.479
  rectangle: 13.179,-25.164 14.145,-24.479
  rectangle: 10.705,-25.164 11.671,-24.479
  rectangle: 13.288,-26.102 14.254,-25.418
  rectangle: 12.196,-26.102 13.161,-25.418
  rectangle: 12.196,-27.04 13.161,-26.356
  rectangle: 13.288,-28.025 14.254,-27.341
  rectangle: 12.196,-28.025 13.161,-27.341
  rectangle: 12.755,-29.039 13.72,-28.355
  region: -5.9,-28.335 -6.056,-28.899 -5.093,-28.514 -5.016,-27.972
  region: -6.34,-29.421 -6.496,-29.985 -5.17,-29.455 -5.092,-28.91
  region: -6.666,-30.6 -6.822,-31.164 -5.315,-30.561 -5.237,-30.014
Top Solder:
  region: -13.248,-28.881 -14.274,-28.456 -14.44,-20.011 -8.025,-23.244 -8.74,-25.358 ccw(c-8.265,-25.833) -8.937,-25.833 -8.937,-25.865
  region: 11.529,-29.927 13.847,-29.354 ccw(c13.847,-28.905) 14.297,-28.905 14.297,-20.855 ccw(c14.201,-20.855) 14.201,-20.758 11.584,-20.758 ccw(c11.584,-21.689) 10.653,-21.689 ccw(c10.197,-22.68) 9.206,-22.223 10.196,-26.104 ccw(c10.621,-26.104) 10.304,-26.388 10.988,-27.149 11.694,-26.96 11.978,-27.244 12.175,-28.069 11.985,-28.381 11.278,-28.53
  region: 1.485,-32.372 3.403,-32.078 3.05,-30.731 2.57,-30.871 2.217,-30.744 1.925,-29.822 2.3,-29.455 2.836,-29.324 2.47,-28.137 2.47,-27.966 1.808,-27.74 1.043,-27.732 0.646,-31.563
  region: -6.959,-31.418 -5.178,-30.56 -3.725,-30.654 -3.474,-27.475 -4.967,-27.419 -5.746,-28.157 -7.211,-27.606 -8.321,-30.732
Mechanical 1:
  circle w0.013: c0,19 r1
  circle w0.013: c-23,-9 r1
  circle w0.013: c23,-9 r1
  pour cut-out: -24,-9 ccw(c-23,-9) -23,-10 ccw(c-23,-9) -22,-9 ccw(c-23,-9) -23,-8 ccw(c-23,-9)
  lines w0.013: -10.996,29.5 cw(c-19.356,29.5) -15.956,21.863 ccw(c-12.113,12.63) -19.035,19.848 ccw(c0,0) 19.035,19.848 ccw(c12.113,12.63) 15.956,21.863 ; -10.516,30 10.515,30 ; 10.996,29.5 ccw(c19.356,29.5) 15.956,21.863
Mechanical 2:
  circle w0.05: c0,0 r7.5
  circle w0.05: c0,0 r34
  circle w0.013: c23,-9 r1
  circle w0.013: c-23,-9 r1
  circle w0.013: c0,19 r1
Mechanical 4:
  circle w0.01: c0,0 r23
Top Assembly:
  lines w0.2: -1.667,-19.206 -1.667,-16.409 ; 1.694,-19.19 1.694,-16.338
  text "ASSEMBLY TOP" at -12.497,36.525 h2
Bottom Assembly:
  circle w0.2: c2.442,28.301 r0.217
  circle w0.2: c9.609,-29.65 r0.217
  circle w0.2: c20.531,-12.356 r0.217
  text "ASSEMBLY BOTTOM" at 15.545,36.703 h2

## Text inside footprints (layer, text, board x,y; h text height)
P11: Top Overlay "1" at 8.052,-14.883 h0.7; Mechanical 1 "Keep Clear" at -3.404,-7.161 h0.7
U6: Top Assembly "*" at 2.174,24.056 h1.27; Mechanical 13 "*" at 3.444,23.713 h1.27
U7: Top Assembly "*" at -13.674,13.744 h1.27 r180; Mechanical 13 "*" at -14.944,14.087 h1.27 r180
U8: Top Assembly "*" at -11.826,24.056 h1.27; Mechanical 13 "*" at -10.556,23.713 h1.27